# KiCad board ADC_Test.kicad_pcb (continued)
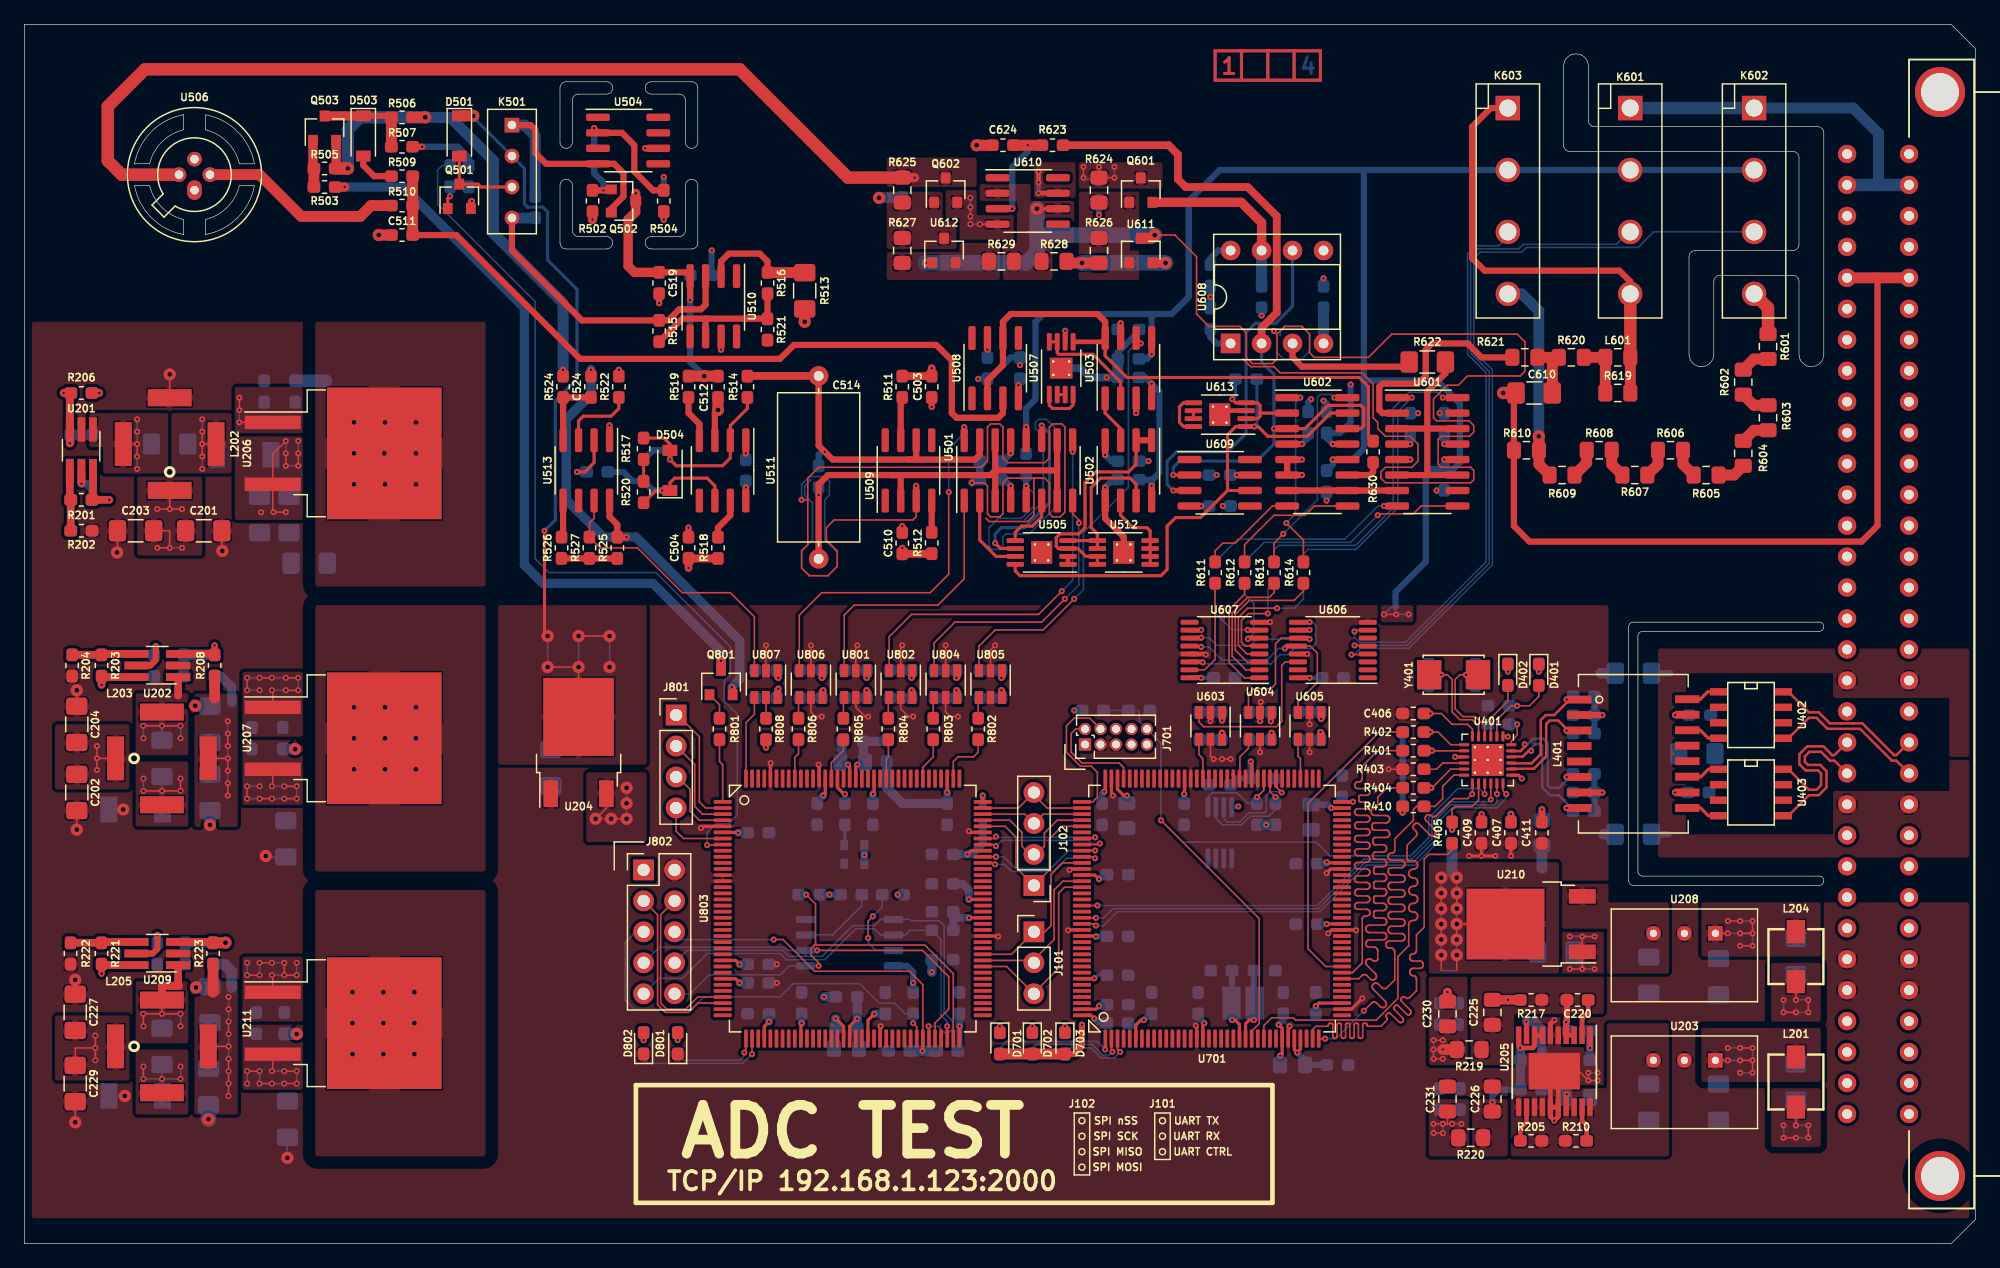
[diagram p0: board, top side]
## Routing (per net, layer and track width the routed paths; a pad name or vN(x,y) marks a point on that pad's centre or on a via; arc(x,y) is an arc through that point) (continued)
  Bottom w0.254: v1(100.86,67.02) 101.06,67.22 C625.2
/ADC/FGPA_AD_ID: length 31.9
  Top w0.127: v1(75.8,61.64) 75.8,54.91 74.27,53.39 65.38,53.39 63.54,51.55 U806.3 ; v1(77.07,66.97) U501.16
  Bottom w0.127: v1(77.07,66.97) 77.07,66.47 75.8,65.2 v1(75.8,61.64)
/ADC/FGPA_AD_IIN: length 22
  Top w0.127: U501.1 77.07,54.53 74.91,52.37 68.05,52.37 67.23,51.55 U801.3
/ADC/FGPA_AD_IRN: length 23.2
  Top w0.127: v1(86.47,59.1) 86.47,59.35 85.96,59.86 U501.8 ; U804.3 74.59,49.26 76.3,50.97 83.42,50.97 v1(85.32,52.88)
  Bottom w0.127: v1(86.47,59.1) 86.47,54.02 v1(85.32,52.88)
/ADC/FGPA_AD_IRP: length 31.2
  Top w0.127: v1(85.96,64.94) U501.9 ; v1(85.07,53.51) 83.16,51.61 72.75,51.61 70.91,49.77 70.91,46.99
  Bottom w0.127: v1(85.96,64.94) 85.96,54.4 v1(85.07,53.51)
/ADC/FPGA_AD_RFS: length 61.3
  Top w0.762: R503.2 v1(26.27,86.66) ; Q801.3 v1(57.13,47.8)
  Bottom w0.762: v1(57.13,47.8) 57.13,48.56 51.54,54.15 42.52,54.15 41,55.67 41,76.75 31.09,86.66 v1(26.27,86.66)
/ADC/FPGA_AD_RFS_OPT: length 75.2
  Top w0.127: U803.8 57.22,32.69 v1(55.98,32.69)
  Bottom w0.127: R501.2 34.25,88.42 33.89,88.06 33.89,85.26 41.89,77.26 41.89,56.18 43.03,55.04 51.79,55.04 57.89,48.94 57.89,46.66 57.38,46.15 57.38,44.5 58.46,43.42 58.46,35.14 57.76,34.44 56.72,34.44 55.98,33.7 v1(55.98,32.69)
/ADC/VREF+: length 13.2
  Top w0.254: U512.1 U512.2 ; U512.1 U505.4 ; U512.1 87.98,58.22 87.48,58.72 87.48,62.02 88.24,62.78 90.67,62.78 91.16,62.29 91.16,60.94
/ADC/VREF-: length 19.5
  Top w0.254: 91.16,65.89 91.16,63.93 90.53,63.29 87.86,63.29 86.97,62.4 86.97,58.72 86.46,58.21 84.91,58.21 84.61,57.91 84.61,57.2 84.79,57.01 U505.3 86.39,57.01 87.04,56.36 U512.3 87.98,55.71
  Top w0.508: 91.16,65.89 U502.1
/ADC/VREF_-7V: length 48.5
  Top w0.254: U503.8 88.62,72.82 90.4,71.04 109.45,71.04 110.21,70.28 110.21,66.2 R630.1
  Top w0.381: U507.5 88.31,73.96 U503.8
  Top w0.508: U508.2 78.97,70.78 80.24,72.06 U508.6 80.24,75.61 80.88,76.25 87.99,76.25 88.62,75.61 U503.8
/Connector/RX+: length 12.7
  Top w0.2: J301.A20 148.41,40.06 148.24,40.06 147.52,40.78 146.19,40.78 145.55,40.14 145.55,39.32 146.06,38.81 147.08,38.81 147.33,38.56 147.33,37.6 146.95,37.23 146.33,37.23 144.65,38.91 U403.8
/Connector/RX-: length 12.7
  Top w0.2: J301.A21 148.41,39.61 148.05,39.61 147.33,40.33 146.37,40.33 146,39.96 146,39.51 146.25,39.26 147.26,39.26 147.78,38.75 147.78,37.42 147.14,36.78 146.33,36.78 144.65,35.1 U403.5
/Connector/TX+: length 12.9
  Top w0.2: J301.C20 153.5,40.06 153.32,40.06 150.71,42.67 148.04,42.67 147.14,43.58 146.33,43.58 144.65,45.26 U402.8
/Connector/TX-: length 12.9
  Top w0.2: J301.C21 153.5,39.61 153.13,39.61 150.52,42.22 147.86,42.22 146.95,43.13 146.33,43.13 144.65,41.45 U402.5
/Connector/V_HIGH: length 30.5
  Bottom w0.889: 152.04,86.83 152.04,91.06 149.96,93.14 K602.1
  Bottom w1.016: K602.1 K601.1 ; J301.A2 J301.C2
/Ethernet/ETH_RXN: length 11
  Top w0.2: v1(123.56,40.42) 123.35,40.42 122.87,39.94 121.95,39.94 U401.22
  Top w0.508: L401.8 v1(126.47,35.73)
  Bottom w0.2: v1(123.56,40.42) 123.56,40.63 123.9,40.97 124.34,40.97 124.47,40.85 124.47,37.42 125.11,36.78 125.81,36.78 126.99,35.59 R418.2
/Ethernet/ETH_RXP: length 10.8
  Top w0.2: v1(123.03,40.95) 123.03,40.74 122.68,40.39 121.95,40.39 U401.23
  Top w0.508: L401.6 v1(126.47,38.27)
  Bottom w0.2: R417.2 126.98,38.53 125.83,37.38 125.14,37.38 124.92,37.6 124.92,41.03 124.53,41.42 123.71,41.42 123.24,40.95 v1(123.03,40.95)
/Ethernet/ETH_TXN: length 10.2
  Top w0.2: L401.3 126.6,42.08 125.77,42.91 125.08,42.91 124.79,42.62 124.79,39.96 123.78,38.94 121.95,38.94 U401.20
  Top w0.508: L401.3 v1(126.47,42.08)
/Ethernet/ETH_TXP: length 9.5
  Top w0.2: U401.21 121.95,39.39 123.59,39.39 124.34,40.14 124.34,42.94 124.75,43.35 125.45,43.35 126.47,44.37 v1(126.47,44.62)
  Top w0.508: 127.5,44.62 v1(126.47,44.62)
/Ethernet/MODE0: length 4.6
  Top w0.127: R401.1 114.78,40.42 U401.8
  Top w0.508: v1(115.42,40.43) R401.1
  Bottom w0.508: R401.1 v1(115.42,40.43)
/Ethernet/MODE1: length 4.2
  Top w0.127: U401.7 116.96,40.92 115.93,41.96 v1(115.29,41.96)
  Top w0.508: R402.1 v1(115.29,41.96)
  Bottom w0.508: v1(115.29,41.96) R402.1
/Ethernet/MODE2: length 4.5
  Top w0.127: v1(115.36,37.38) 115.42,37.38 116.96,38.92 U401.11
  Top w0.508: v1(115.36,37.38) R404.1
  Bottom w0.508: R404.1 v1(115.36,37.38)
/Ethernet/NRST: length 66.2
  Top w0.127: v1(93.19,34.72) 101.26,26.66 101.26,18.05 100.64,17.43 U701.25 ; v1(119.74,36.88) 119.74,36.88 U401.15
  Bottom w0.127: R707.2 C721.1 91.29,43.73 91.42,43.61 91.42,42.84 J701.10 93.19,41.07 93.19,34.72 94.97,32.94 105.91,32.94 107.05,31.8 113.66,31.8 115.17,33.3 115.17,34.95 117.53,37.32 119.3,37.32 v1(119.74,36.88)
/Ethernet/REF_CLK: length 41.5
  Top w0.127: R405.2 117.07,32.3 116.69,31.92 115.17,31.92 114.78,31.54 114.78,25.95 114.15,25.32 114.15,24.05 114.14,23.99 114.12,23.93 114.09,23.88 114.05,23.83 113.99,23.8 113.94,23.78 113.81,23.77 113.76,23.75 113.7,23.71 113.66,23.67 113.63,23.62 113.61,23.56 113.6,23.5 113.6,23.45 113.61,23.39 113.63,23.33 113.66,23.28 113.7,23.23 113.76,23.2 113.81,23.18 113.88,23.17 114.43,23.17 114.49,23.17 114.54,23.15 114.6,23.11 114.64,23.07 114.67,23.02 114.69,22.96 114.7,22.9 114.7,22.85 114.69,22.79 114.67,22.73 114.64,22.68 114.6,22.63 114.54,22.6 114.49,22.58 114.43,22.57 113.88,22.57 113.81,22.57 113.76,22.55 113.7,22.51 113.66,22.47 113.63,22.42 113.61,22.36 113.6,22.3 113.6,22.25 113.61,22.19 113.63,22.13 113.66,22.08 113.7,22.03 113.76,22 113.81,21.98 113.94,21.97 113.99,21.95 114.05,21.91 114.09,21.87 114.12,21.82 114.14,21.76 114.15,21.7 114.15,20.75 113.58,20.18 113.54,20.14 113.49,20.12 113.44,20.11 113.39,20.11 113.35,20.12 113.3,20.14 113.22,20.21 113.18,20.23 113.13,20.24 113.08,20.24 113.03,20.23 112.98,20.21 112.94,20.18 112.91,20.14 112.89,20.09 112.88,20.04 112.88,19.99 112.89,19.94 112.91,19.9 112.94,19.86 113.65,19.15 113.68,19.11 113.7,19.07 113.71,19.02 113.71,18.97 113.7,18.92 113.68,18.87 113.65,18.83 113.61,18.8 113.56,18.78 113.52,18.77 113.46,18.77 113.42,18.78 113.37,18.8 113.33,18.83 112.66,19.5 112.63,19.53 112.59,19.55 112.56,19.55 112.52,19.55 112.48,19.55 112.44,19.53 112.41,19.5 112.34,19.43 112.32,19.4 112.3,19.37 112.29,19.33 112.29,19.29 112.3,19.25 112.32,19.22 112.34,19.19 113.01,18.51 113.04,18.47 113.07,18.43 113.08,18.38 113.08,18.33 113.07,18.28 113.04,18.23 113.01,18.2 112.97,18.16 112.93,18.14 112.88,18.13 112.83,18.13 112.78,18.14 112.73,18.16 112.69,18.2 112.02,18.87 111.99,18.89 111.96,18.91 111.92,18.92 111.88,18.92 111.84,18.91 111.81,18.89 111.78,18.87 111.7,18.8 111.68,18.77 111.66,18.73 111.65,18.69 111.65,18.65 111.66,18.62 111.68,18.58 111.73,18.52 111.75,18.48 111.75,18.45 111.75,18.41 111.75,18.37 111.73,18.33 111.7,18.3 111.23,17.83 110.21,17.83 110.19,17.83 110.16,17.84 110.14,17.85 110.12,17.87 110.1,17.9 110.09,17.92 110.09,17.98 110.08,18 110.06,18.02 110.04,18.04 110.02,18.06 110,18.07 109.97,18.07 109.86,18.07 109.84,18.07 109.81,18.06 109.79,18.04 109.77,18.02 109.75,18 109.74,17.98 109.74,17.95 109.74,17.83 109.74,17.83 109.74,17.01 109.73,16.97 109.72,16.93 109.7,16.9 109.67,16.87 109.64,16.85 109.6,16.84 109.56,16.83 109.52,16.84 109.49,16.85 109.45,16.87 109.43,16.9 109.41,16.93 109.39,16.97 109.39,17.01 109.39,17.95 109.38,17.98 109.38,18 109.36,18.02 109.34,18.04 109.32,18.06 109.29,18.07 109.27,18.07 109.16,18.07 109.13,18.07 109.11,18.06 109.08,18.04 109.06,18.02 109.05,18 109.04,17.98 109.04,17.95 109.04,17.01 109.03,16.97 109.02,16.93 109,16.9 108.97,16.87 108.94,16.85 108.9,16.84 108.86,16.83 108.82,16.84 108.79,16.85 108.75,16.87 108.73,16.9 108.71,16.93 108.69,16.97 108.69,17.01 108.69,17.95 108.68,17.98 108.68,18 108.66,18.02 108.64,18.04 108.62,18.06 108.59,18.07 108.57,18.07 108.46,18.07 108.43,18.07 108.41,18.06 108.38,18.04 108.36,18.02 108.35,18 108.34,17.98 108.34,17.95 108.34,17.01 108.33,16.97 108.32,16.93 108.3,16.9 108.27,16.87 108.24,16.85 108.2,16.84 108.16,16.83 108.12,16.84 108.09,16.85 108.05,16.87 108.03,16.9 108.01,16.93 107.99,16.97 107.99,17.01 107.99,17.95 107.98,17.98 107.98,18 107.96,18.02 107.94,18.04 107.92,18.06 107.89,18.07 107.87,18.07 107.76,18.07 107.73,18.07 107.71,18.06 107.68,18.04 107.66,18.02 107.65,18 107.64,17.98 107.64,17.95 107.64,17.01 107.63,16.97 107.62,16.93 107.6,16.9 107.57,16.87 107.54,16.85 107.5,16.84 107.46,16.83 107.42,16.84 107.39,16.85 107.35,16.87 107.33,16.9 107.31,16.93 107.29,16.97 107.29,17.01 107.29,17.95 107.28,17.98 107.28,18 107.26,18.02 107.24,18.04 107.22,18.06 107.19,18.07 107.17,18.07 107.06,18.07 107.03,18.07 107.01,18.06 106.98,18.04 106.96,18.02 106.95,18 106.94,17.98 106.93,17.92 106.93,17.9 106.91,17.87 106.89,17.85 106.87,17.84 106.84,17.83 106.82,17.83 105.9,17.83 105.64,17.57 U701.35
/Ethernet/REFCLK0: length 6.1
  Top w0.127: U401.14 119.24,36.38 118.72,35.86 117.32,35.86 117.07,35.61 R405.1
  Top w0.508: R405.1 v1(117.07,33.95)
  Bottom w0.508: v1(117.07,33.95) R405.1
/Ethernet/RMII_CRS_DV: length 41.6
  Top w0.127: R404.2 111.74,37.38 110.97,36.62 110.97,35.99 110.97,35.93 110.95,35.87 110.92,35.82 110.87,35.78 110.82,35.75 110.77,35.73 110.65,35.71 110.59,35.69 110.54,35.66 110.5,35.62 110.47,35.57 110.45,35.51 110.44,35.46 110.44,35.39 110.45,35.33 110.47,35.27 110.5,35.22 110.54,35.18 110.59,35.15 110.65,35.13 110.71,35.12 110.97,35.12 110.97,35.11 111.66,35.11 111.72,35.1 111.79,35.08 111.84,35.05 111.89,35 111.93,34.94 111.95,34.88 111.96,34.81 111.95,34.75 111.93,34.68 111.89,34.62 111.84,34.58 111.79,34.54 111.72,34.52 111.66,34.51 110.73,34.51 110.68,34.51 110.63,34.49 110.58,34.46 110.55,34.42 110.52,34.38 110.5,34.32 110.49,34.27 110.49,34.15 110.5,34.1 110.52,34.05 110.55,34 110.58,33.96 110.63,33.94 110.68,33.92 110.73,33.91 111.66,33.91 111.72,33.9 111.79,33.88 111.84,33.85 111.89,33.8 111.93,33.74 111.95,33.68 111.96,33.61 111.95,33.55 111.93,33.48 111.89,33.42 111.84,33.38 111.79,33.34 111.72,33.32 111.66,33.31 110.78,33.31 110.74,33.31 110.7,33.29 110.67,33.27 110.64,33.24 110.61,33.2 110.6,33.16 110.59,33.12 110.59,32.9 110.6,32.86 110.61,32.82 110.64,32.78 110.67,32.75 110.7,32.73 110.74,32.72 110.78,32.71 111.41,32.71 111.47,32.7 111.54,32.68 111.59,32.65 111.64,32.6 111.68,32.54 111.7,32.48 111.71,32.41 111.7,32.35 111.68,32.28 111.64,32.22 111.59,32.18 111.54,32.14 111.47,32.12 111.41,32.11 110.78,32.11 110.74,32.11 110.7,32.09 110.67,32.07 110.64,32.04 110.61,32 110.6,31.96 110.59,31.92 110.59,31.7 110.6,31.66 110.61,31.62 110.64,31.58 110.67,31.55 110.7,31.53 110.74,31.52 110.78,31.51 111.41,31.51 111.47,31.5 111.54,31.48 111.59,31.45 111.64,31.4 111.68,31.34 111.7,31.28 111.71,31.21 111.7,31.15 111.68,31.08 111.64,31.02 111.59,30.98 111.54,30.94 111.47,30.92 111.41,30.91 110.81,30.91 110.77,30.91 110.74,30.9 110.71,30.88 110.68,30.85 110.66,30.82 110.65,30.78 110.64,30.75 110.64,30.48 110.65,30.44 110.66,30.41 110.68,30.37 110.71,30.35 110.74,30.33 110.77,30.32 110.81,30.31 111.41,30.31 111.47,30.3 111.54,30.28 111.59,30.25 111.64,30.2 111.68,30.14 111.7,30.08 111.71,30.01 111.7,29.95 111.68,29.88 111.64,29.82 111.59,29.78 111.54,29.74 111.47,29.72 111.41,29.71 110.81,29.71 110.77,29.71 110.74,29.7 110.71,29.68 110.68,29.65 110.66,29.62 110.65,29.58 110.64,29.55 110.64,29.28 110.65,29.24 110.66,29.21 110.68,29.17 110.71,29.15 110.74,29.13 110.77,29.12 110.81,29.11 111.41,29.11 111.47,29.1 111.54,29.08 111.59,29.05 111.64,29 111.68,28.94 111.7,28.88 111.71,28.81 111.7,28.75 111.68,28.68 111.64,28.62 111.59,28.58 111.54,28.54 111.47,28.52 111.41,28.51 110.81,28.51 110.77,28.51 110.74,28.5 110.71,28.48 110.68,28.45 110.66,28.42 110.65,28.38 110.64,28.35 110.64,28.08 110.65,28.04 110.66,28.01 110.68,27.97 110.71,27.95 110.74,27.93 110.77,27.92 110.81,27.91 111.41,27.91 111.47,27.9 111.54,27.88 111.59,27.85 111.64,27.8 111.68,27.74 111.7,27.68 111.71,27.61 111.7,27.55 111.68,27.48 111.64,27.42 111.59,27.38 111.54,27.34 111.47,27.32 111.41,27.31 110.81,27.31 110.77,27.31 110.74,27.3 110.71,27.28 110.68,27.25 110.66,27.22 110.65,27.18 110.64,27.15 110.64,26.88 110.65,26.84 110.66,26.81 110.68,26.77 110.71,26.75 110.74,26.73 110.77,26.72 110.81,26.71 111.41,26.71 111.47,26.7 111.54,26.68 111.59,26.65 111.64,26.6 111.68,26.54 111.7,26.48 111.71,26.41 111.7,26.35 111.68,26.28 111.64,26.22 111.59,26.18 111.54,26.14 111.47,26.12 111.41,26.11 110.29,26.11 110.23,26.1 110.16,26.08 110.11,26.05 110.06,26 110.02,25.94 110,25.88 109.99,25.81 110,25.75 110.02,25.68 110.06,25.62 110.11,25.58 110.16,25.54 110.23,25.52 110.29,25.51 111.41,25.51 111.47,25.5 111.54,25.48 111.59,25.45 111.64,25.4 111.68,25.34 111.7,25.28 111.71,25.21 111.7,25.15 111.68,25.08 111.64,25.02 111.59,24.98 111.54,24.94 111.47,24.92 111.41,24.91 110.29,24.91 110.23,24.9 110.16,24.88 110.11,24.85 110.06,24.8 110.02,24.74 110,24.68 109.99,24.61 110,24.55 110.02,24.48 110.06,24.42 110.11,24.38 110.16,24.34 110.23,24.32 110.29,24.31 110.68,24.31 110.74,24.3 110.81,24.28 110.86,24.25 110.91,24.2 110.95,24.14 110.97,24.08 110.97,24.01 110.97,23.29 110.94,23.25 110.89,23.21 110.83,23.18 110.76,23.17 110.69,23.17 110.63,23.18 110.57,23.21 110.52,23.25 110.49,23.27 110.44,23.32 110.38,23.34 110.31,23.36 110.25,23.36 110.18,23.34 110.12,23.32 110.07,23.27 110.03,23.22 110,23.16 109.98,23.1 109.98,23.03 110,22.96 110.03,22.9 110.07,22.85 110.79,22.13 110.83,22.08 110.86,22.02 110.87,21.95 110.87,21.89 110.86,21.82 110.83,21.76 110.79,21.71 110.73,21.67 110.67,21.64 110.61,21.62 110.54,21.62 110.47,21.64 110.41,21.67 110.36,21.71 110.09,21.98 110.04,22.02 109.98,22.05 109.91,22.06 109.85,22.06 109.78,22.05 109.72,22.02 109.67,21.98 109.42,21.73 U701.43
/Ethernet/RMII_MDC: length 41.5
  Top w0.127: U701.27 101.64,17.89 102.27,18.52 104.06,18.52 104.24,18.33 110.85,18.33 112.63,20.11 112.63,23.54 113.51,24.43 113.51,26.15 113.52,26.23 113.55,26.3 113.59,26.37 113.65,26.43 113.71,26.47 113.79,26.49 113.87,26.5 113.9,26.5 113.98,26.51 114.05,26.54 114.12,26.58 114.17,26.63 114.21,26.7 114.24,26.77 114.25,26.85 114.24,26.93 114.21,27 114.17,27.07 114.12,27.13 114.05,27.17 113.98,27.19 113.9,27.2 113.87,27.2 113.79,27.21 113.71,27.24 113.65,27.28 113.59,27.33 113.55,27.4 113.52,27.47 113.51,27.55 113.52,27.63 113.55,27.7 113.59,27.77 113.65,27.83 113.71,27.87 113.79,27.89 113.87,27.9 113.9,27.9 113.98,27.91 114.05,27.94 114.12,27.98 114.17,28.03 114.21,28.1 114.24,28.17 114.25,28.25 114.24,28.33 114.21,28.4 114.17,28.47 114.12,28.53 114.05,28.57 113.98,28.59 113.9,28.6 113.87,28.6 113.79,28.61 113.71,28.64 113.65,28.68 113.59,28.73 113.55,28.8 113.52,28.87 113.51,28.95 113.52,29.03 113.55,29.1 113.59,29.17 113.65,29.23 113.71,29.27 113.79,29.29 113.87,29.3 113.9,29.3 113.98,29.31 114.05,29.34 114.12,29.38 114.17,29.43 114.21,29.5 114.24,29.57 114.25,29.65 114.24,29.73 114.21,29.8 114.17,29.87 114.12,29.93 114.05,29.97 113.98,29.99 113.9,30 113.87,30 113.79,30.01 113.71,30.04 113.65,30.08 113.59,30.13 113.55,30.2 113.52,30.27 113.51,30.35 113.52,30.43 113.55,30.5 113.59,30.57 113.65,30.63 113.71,30.67 113.79,30.69 113.87,30.7 113.9,30.7 113.98,30.71 114.05,30.74 114.12,30.78 114.17,30.83 114.21,30.9 114.24,30.97 114.25,31.05 114.24,31.13 114.21,31.2 114.17,31.27 114.12,31.33 114.05,31.37 113.98,31.39 113.9,31.4 113.51,31.4 113.51,31.41 113.45,31.41 113.43,31.41 113.42,31.42 113.41,31.42 113.4,31.44 113.39,31.45 113.38,31.46 113.38,32.43 113.39,32.43 113.39,32.69 114.1,33.4 114.15,33.45 114.17,33.51 114.19,33.58 114.19,33.65 114.17,33.71 114.15,33.77 114.1,33.83 113.96,33.97 113.92,34.02 113.89,34.08 113.88,34.15 113.88,34.21 113.89,34.28 113.92,34.34 113.96,34.39 114.02,34.43 114.08,34.46 114.14,34.48 114.21,34.48 114.27,34.46 114.33,34.43 114.39,34.39 115.24,33.54 115.29,33.5 115.35,33.47 115.41,33.46 115.48,33.46 115.55,33.47 115.61,33.5 115.66,33.54 115.7,33.59 115.73,33.66 115.75,33.72 115.75,33.79 115.73,33.85 115.7,33.91 115.66,33.97 114.95,34.67 114.91,34.73 114.88,34.79 114.87,34.85 114.87,34.92 114.88,34.98 114.91,35.05 114.95,35.1 115,35.14 115.07,35.17 115.13,35.18 115.2,35.18 115.26,35.17 115.32,35.14 115.43,35.06 115.49,35.03 115.56,35.01 115.62,35.01 115.69,35.03 115.75,35.06 115.8,35.1 117.2,36.5 118.34,36.5 v1(118.72,36.88) 118.74,36.9 U401.13
/Ethernet/RMII_MDIO: length 46.5
  Top w0.127: v1(109.83,19.1) 110.46,19.73 110.52,19.77 110.58,19.8 110.64,19.81 110.71,19.81 110.78,19.8 110.84,19.77 110.89,19.73 111.17,19.45 111.22,19.4 111.28,19.37 111.35,19.36 111.42,19.36 111.48,19.37 111.54,19.4 111.6,19.45 111.64,19.5 111.67,19.56 111.68,19.62 111.68,19.69 111.67,19.76 111.64,19.82 111.6,19.87 110.61,20.86 110.56,20.91 110.53,20.97 110.52,21.04 110.52,21.11 110.53,21.17 110.56,21.23 110.61,21.28 110.66,21.33 110.72,21.35 110.78,21.37 110.85,21.37 110.92,21.35 110.98,21.33 111.03,21.28 111.31,21 111.37,20.96 111.43,20.93 111.49,20.92 111.56,20.92 111.62,20.93 111.68,20.96 111.74,21 112.37,21.64 112.37,23.93 112.36,24 112.34,24.06 112.31,24.12 112.26,24.16 112.2,24.2 112.14,24.22 112.07,24.23 111.94,24.23 111.87,24.24 111.81,24.26 111.75,24.29 111.7,24.34 111.67,24.4 111.64,24.46 111.64,24.53 111.64,24.6 111.67,24.66 111.7,24.72 111.75,24.76 111.81,24.8 111.87,24.82 111.94,24.83 112.91,24.83 112.98,24.84 113.04,24.86 113.1,24.89 113.14,24.94 113.18,25 113.2,25.06 113.21,25.13 113.2,25.2 113.18,25.26 113.14,25.32 113.1,25.36 113.04,25.4 112.98,25.42 112.91,25.43 112.1,25.43 112.04,25.44 111.99,25.46 111.94,25.49 111.89,25.53 111.86,25.58 111.84,25.64 111.84,25.7 111.84,25.76 111.84,25.82 111.86,25.88 111.89,25.93 111.94,25.97 111.99,26 112.04,26.02 112.1,26.03 112.91,26.03 112.98,26.04 113.04,26.06 113.1,26.09 113.14,26.14 113.18,26.2 113.2,26.26 113.21,26.33 113.2,26.4 113.18,26.46 113.14,26.52 113.1,26.56 113.04,26.6 112.98,26.62 112.91,26.63 112.1,26.63 112.04,26.64 111.99,26.66 111.94,26.69 111.89,26.73 111.86,26.78 111.84,26.84 111.84,26.9 111.84,26.96 111.84,27.02 111.86,27.08 111.89,27.13 111.94,27.17 111.99,27.2 112.04,27.22 112.1,27.23 112.91,27.23 112.98,27.24 113.04,27.26 113.1,27.29 113.14,27.34 113.18,27.4 113.2,27.46 113.21,27.53 113.2,27.6 113.18,27.66 113.14,27.72 113.1,27.76 113.04,27.8 112.98,27.82 112.91,27.83 112.1,27.83 112.04,27.84 111.99,27.86 111.94,27.89 111.89,27.93 111.86,27.98 111.84,28.04 111.84,28.1 111.84,28.16 111.84,28.22 111.86,28.28 111.89,28.33 111.94,28.37 111.99,28.4 112.04,28.42 112.1,28.43 112.91,28.43 112.98,28.44 113.04,28.46 113.1,28.49 113.14,28.54 113.18,28.6 113.2,28.66 113.21,28.73 113.2,28.8 113.18,28.86 113.14,28.92 113.1,28.96 113.04,29 112.98,29.02 112.91,29.03 112.1,29.03 112.04,29.04 111.99,29.06 111.94,29.09 111.89,29.13 111.86,29.18 111.84,29.24 111.84,29.3 111.84,29.36 111.84,29.42 111.86,29.48 111.89,29.53 111.94,29.57 111.99,29.6 112.04,29.62 112.1,29.63 112.91,29.63 112.98,29.64 113.04,29.66 113.1,29.69 113.14,29.74 113.18,29.8 113.2,29.86 113.21,29.93 113.2,30 113.18,30.06 113.14,30.12 113.1,30.16 113.04,30.2 112.98,30.22 112.91,30.23 112.1,30.23 112.04,30.24 111.99,30.26 111.94,30.29 111.89,30.33 111.86,30.38 111.84,30.44 111.84,30.5 111.84,30.56 111.84,30.62 111.86,30.68 111.89,30.73 111.94,30.77 111.99,30.8 112.04,30.82 112.1,30.83 112.91,30.83 112.98,30.84 113.04,30.86 113.1,30.89 113.14,30.94 113.18,31 113.2,31.06 113.21,31.13 113.2,31.2 113.18,31.26 113.14,31.32 113.1,31.36 113.04,31.4 112.98,31.42 112.91,31.43 112.37,31.43 112.37,31.44 112.1,31.44 112.04,31.44 111.99,31.46 111.94,31.49 111.89,31.54 111.86,31.59 111.84,31.64 111.84,31.7 111.84,31.77 111.84,31.83 111.86,31.88 111.89,31.93 111.94,31.98 111.99,32.01 112.04,32.03 112.16,32.04 112.22,32.06 112.27,32.09 112.31,32.14 112.35,32.19 112.37,32.24 112.37,32.3 112.37,33.19 113.9,34.72 113.9,35.61 114.15,35.86 R410.2 115.67,35.86 116.29,36.48 116.29,37.5 117.21,38.42 U401.12 ; U701.36 106.14,16.81 v1(106.66,16.81)
  Bottom w0.127: v1(109.83,19.1) 107.55,16.81 v1(106.66,16.81)
/Ethernet/RMII_RXD0: length 41.5
  Top w0.127: R401.2 110.97,40.43 109.71,39.16 109.71,38.15 109.7,38.08 109.68,38.03 109.65,37.97 109.6,37.93 109.55,37.9 109.49,37.88 109.43,37.87 109.35,37.87 109.29,37.86 109.23,37.84 109.18,37.81 109.14,37.77 109.1,37.72 109.08,37.66 109.08,37.6 109.08,37.53 109.1,37.48 109.14,37.42 109.18,37.38 109.23,37.35 109.29,37.33 109.35,37.32 110.06,37.32 110.12,37.31 110.18,37.29 110.23,37.26 110.27,37.22 110.31,37.17 110.33,37.11 110.33,37.05 110.33,36.98 110.31,36.93 110.27,36.87 110.23,36.83 110.18,36.8 110.12,36.78 110.06,36.77 109.57,36.77 109.54,36.77 109.51,36.76 109.48,36.74 109.46,36.72 109.44,36.69 109.43,36.66 109.43,36.63 109.43,36.36 109.43,36.33 109.44,36.3 109.46,36.27 109.48,36.25 109.51,36.23 109.54,36.22 109.57,36.22 110.06,36.22 110.12,36.21 110.18,36.19 110.23,36.16 110.27,36.12 110.31,36.07 110.33,36.01 110.33,35.95 110.33,35.88 110.31,35.83 110.27,35.77 110.23,35.73 110.18,35.7 110.12,35.68 110.06,35.67 109.35,35.67 109.29,35.66 109.23,35.64 109.18,35.61 109.14,35.57 109.1,35.52 109.08,35.46 109.08,35.4 109.08,35.33 109.1,35.28 109.14,35.22 109.18,35.18 109.23,35.15 109.29,35.13 109.35,35.12 110.06,35.12 110.12,35.11 110.18,35.09 110.23,35.06 110.27,35.02 110.31,34.97 110.33,34.91 110.33,34.85 110.33,34.78 110.31,34.73 110.27,34.67 110.23,34.63 110.18,34.6 110.12,34.58 110.06,34.57 109.35,34.57 109.29,34.56 109.23,34.54 109.18,34.51 109.14,34.47 109.1,34.42 109.08,34.36 109.08,34.3 109.08,34.23 109.1,34.18 109.14,34.12 109.18,34.08 109.23,34.05 109.29,34.03 109.35,34.02 110.06,34.02 110.12,34.01 110.18,33.99 110.23,33.96 110.27,33.92 110.31,33.87 110.33,33.81 110.33,33.75 110.33,33.68 110.31,33.63 110.27,33.57 110.23,33.53 110.18,33.5 110.12,33.48 110.06,33.47 109.35,33.47 109.29,33.46 109.23,33.44 109.18,33.41 109.14,33.37 109.1,33.32 109.08,33.26 109.08,33.2 109.08,33.13 109.1,33.08 109.14,33.02 109.18,32.98 109.23,32.95 109.29,32.93 109.35,32.92 110.06,32.92 110.12,32.91 110.18,32.89 110.23,32.86 110.27,32.82 110.31,32.77 110.33,32.71 110.33,32.65 110.33,32.58 110.31,32.53 110.27,32.47 110.23,32.43 110.18,32.4 110.12,32.38 110.06,32.37 109.35,32.37 109.29,32.36 109.23,32.34 109.18,32.31 109.14,32.27 109.1,32.22 109.08,32.16 109.08,32.1 109.08,32.03 109.1,31.98 109.14,31.92 109.18,31.88 109.23,31.85 109.29,31.83 109.35,31.82 110.06,31.82 110.12,31.81 110.18,31.79 110.23,31.76 110.27,31.72 110.31,31.67 110.33,31.61 110.33,31.55 110.33,31.48 110.31,31.43 110.27,31.37 110.23,31.33 110.18,31.3 110.12,31.28 110.06,31.27 109.35,31.27 109.29,31.26 109.23,31.24 109.18,31.21 109.14,31.17 109.1,31.12 109.08,31.06 109.08,31 109.08,30.93 109.1,30.88 109.14,30.82 109.18,30.78 109.23,30.75 109.29,30.73 109.35,30.72 110.06,30.72 110.12,30.71 110.18,30.69 110.23,30.66 110.27,30.62 110.31,30.57 110.33,30.51 110.33,30.45 110.33,30.38 110.31,30.33 110.27,30.27 110.23,30.23 110.18,30.2 110.12,30.18 110.06,30.17 109.35,30.17 109.29,30.16 109.23,30.14 109.18,30.11 109.14,30.07 109.1,30.02 109.08,29.96 109.08,29.9 109.08,29.83 109.1,29.78 109.14,29.72 109.18,29.68 109.23,29.65 109.29,29.63 109.35,29.62 110.06,29.62 110.12,29.61 110.18,29.59 110.23,29.56 110.27,29.52 110.31,29.47 110.33,29.41 110.33,29.35 110.33,29.28 110.31,29.23 110.27,29.17 110.23,29.13 110.18,29.1 110.12,29.08 110.06,29.07 109.35,29.07 109.29,29.06 109.23,29.04 109.18,29.01 109.14,28.97 109.1,28.92 109.08,28.86 109.08,28.8 109.08,28.73 109.1,28.68 109.14,28.62 109.18,28.58 109.23,28.55 109.29,28.53 109.35,28.52 110.06,28.52 110.12,28.51 110.18,28.49 110.23,28.46 110.27,28.42 110.31,28.37 110.33,28.31 110.33,28.25 110.33,28.18 110.31,28.13 110.27,28.07 110.23,28.03 110.18,28 110.12,27.98 110.06,27.97 109.35,27.97 109.29,27.96 109.23,27.94 109.18,27.91 109.14,27.87 109.1,27.82 109.08,27.76 109.08,27.7 109.08,27.63 109.1,27.58 109.14,27.52 109.18,27.48 109.23,27.45 109.29,27.43 109.35,27.42 110.06,27.42 110.12,27.41 110.18,27.39 110.23,27.36 110.27,27.32 110.31,27.27 110.33,27.21 110.33,27.15 110.33,27.08 110.31,27.03 110.27,26.97 110.23,26.93 110.18,26.9 110.12,26.88 110.06,26.87 109.98,26.87 109.92,26.86 109.86,26.84 109.81,26.81 109.76,26.77 109.73,26.72 109.71,26.66 109.71,26.6 109.71,23.03 108.91,22.23 U701.44
/Ethernet/RMII_RXD1: length 25.5
  Top w0.127: R402.2 111.1,41.96 105.26,36.11 105.26,24.18 106.71,22.73 U701.45
/Ethernet/RMII_TXD0: length 40.5
  Top w0.127: U401.17 120.74,36.89 v1(120.75,36.88) ; U701.128 86.74,26.72 v1(87.86,26.72)
  Bottom w0.127: v1(120.75,36.88) 120.75,36.22 120.52,35.99 116.94,35.99 115.67,34.72 115.67,33.07 113.9,31.29 109.94,31.29 106.13,27.48 89.26,27.48 88.5,26.72 v1(87.86,26.72)
/Ethernet/RMII_TXD1: length 41.5
  Top w0.127: U701.129 87.72,26.23 v1(87.86,26.09) ; v1(121.52,36.88) 121.24,37.15 U401.18
  Bottom w0.127: v1(87.86,26.09) 88.5,26.09 89.64,27.22 106.23,27.22 110.04,31.03 114.02,31.03 115.93,32.94 115.93,34.59 117.07,35.73 120.73,35.73 121.52,36.52 v1(121.52,36.88)
/Ethernet/RMII_TXEN: length 39.4
  Top w0.127: U701.126 86.73,27.73 v1(87.99,27.73) ; U401.16 120.24,36.43 v1(120.25,36.43)
  Bottom w0.127: v1(120.25,36.43) 120.06,36.24 116.82,36.24 115.42,34.84 115.42,33.19 113.77,31.54 109.83,31.54 106.02,27.73 v1(87.99,27.73)
